# KiCad board poly_kb.kicad_pcb (continued)
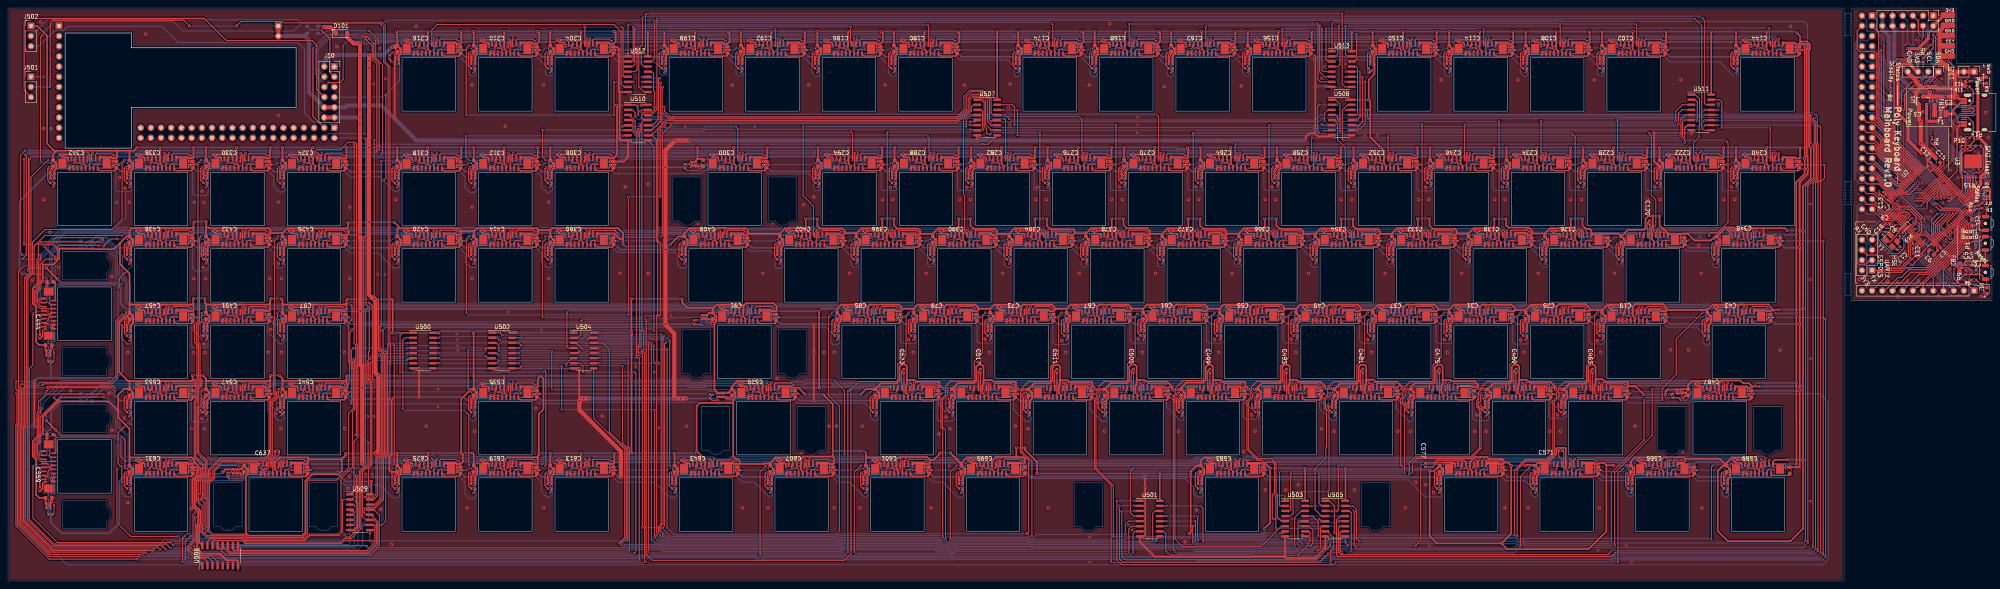
[diagram p0: board, top side]
## Routing (per net, layer and track width the routed paths; a pad name or vN(x,y) marks a point on that pad's centre or on a via; arc(x,y) is an arc through that point) (continued)
Net-(C597-Pad1): length 5.5
  Top w0.292: J51.15 249.15,26.11 252.08,26.11 252.08,26.11 252.89,26.11 253.17,26.39 C597.1
Net-(C600-Pad1): length 12.4
  Top w0.292: C600.1 212.3,23.75 212.3,26.65 v2(212.6,26.96) ; J52.4 218.91,28.85 v2(218.91,27.93)
  Bottom w0.292: v2(212.6,26.96) 213.36,27.71 217.62,27.71 217.84,27.93 v2(218.91,27.93)
Net-(C600-Pad2): length 11.7
  Top w0.292: 219.35,26.67 219.63,26.67 J52.5 ; v2(213.53,21.94) 213.96,22.37 C600.2
  Bottom w0.292: 219.35,26.67 219.19,26.51 214.31,26.51 213.74,25.94 213.74,22.15 v2(213.53,21.94)
  vias: v2(219.35,26.67)
Net-(C601-Pad1): length 4.7
  Top w0.292: C601.1 216.28,30.19 219.72,30.19 220.21,29.71 J52.6
Net-(C601-Pad2): length 8
  Top w0.292: J52.7 220.71,27.74 220.37,28.08 v2(219.65,28.08) ; v2(217.39,28.34) 217.39,29.18 217.08,29.49 215.95,29.49 C601.2
  Bottom w0.292: v2(219.65,28.08) 219.22,28.51 218.64,28.51 218.63,28.5 217.55,28.5 v2(217.39,28.34)
Net-(C603-Pad1): length 5.5
  Top w0.292: J52.15 225.34,26.11 228.27,26.11 228.27,26.11 229.07,26.11 229.36,26.39 C603.1
Net-(C606-Pad1): length 12.4
  Top w0.292: C606.1 188.49,23.75 188.49,26.65 v2(188.79,26.96) ; v2(195.1,27.94) 195.1,28.85 J53.4
  Bottom w0.292: v2(195.1,27.94) 195.01,27.85 194.06,27.85 193.72,27.51 189.34,27.51 v2(188.79,26.96)
Net-(C606-Pad2): length 11.7
  Top w0.292: 195.54,26.67 195.82,26.67 J53.5 ; v2(189.71,21.94) 190.15,22.37 C606.2
  Bottom w0.292: 195.54,26.67 195.37,26.5 190.48,26.5 189.92,25.94 189.92,22.15 v2(189.71,21.94)
  vias: v2(195.54,26.67)
Net-(C607-Pad1): length 4.7
  Top w0.292: C607.1 192.47,30.19 195.91,30.19 196.39,29.71 J53.6
Net-(C607-Pad2): length 8
  Top w0.292: J53.7 196.89,27.74 196.56,28.08 v2(195.84,28.08) ; v2(193.75,28.34) 193.75,29.02 193.27,29.49 192.14,29.49 C607.2
  Bottom w0.292: v2(195.84,28.08) 195.4,28.52 193.93,28.52 v2(193.75,28.34)
Net-(C609-Pad1): length 5.5
  Top w0.292: J53.15 201.53,26.11 204.46,26.11 204.46,26.11 205.26,26.11 205.54,26.39 C609.1
Net-(C612-Pad1): length 12.3
  Top w0.292: v2(140.33,27.98) 140.33,28.85 J54.4 ; C612.1 133.72,23.75 133.72,26.65 v2(134.02,26.96)
  Bottom w0.292: v2(134.02,26.96) 134.78,27.71 138.98,27.71 139.24,27.98 v2(140.33,27.98)
Net-(C612-Pad2): length 11.7
  Top w0.292: 140.77,26.67 141.05,26.67 J54.5 ; v2(134.95,21.94) 135.38,22.37 C612.2
  Bottom w0.292: 140.77,26.67 140.61,26.51 135.73,26.51 135.15,25.94 135.15,22.15 v2(134.95,21.94)
  vias: v2(140.77,26.67)
Net-(C613-Pad1): length 4.7
  Top w0.292: C613.1 137.7,30.19 141.14,30.19 141.62,29.71 J54.6
Net-(C613-Pad2): length 8
  Top w0.292: J54.7 142.12,27.74 141.79,28.08 v2(141.07,28.08) ; C613.2 137.37,29.49 138.5,29.49 138.82,29.17 v2(138.82,28.43)
  Bottom w0.292: v2(138.82,28.43) 138.98,28.59 140.56,28.59 v2(141.07,28.08)
Net-(C615-Pad1): length 5.5
  Top w0.292: J54.15 146.76,26.11 149.69,26.11 149.69,26.11 150.49,26.11 150.77,26.39 C615.1
Net-(C618-Pad1): length 12.4
  Top w0.292: C618.1 114.67,23.75 114.67,26.65 v2(114.97,26.96) ; v2(121.28,27.94) 121.28,28.85 J55.4
  Bottom w0.292: v2(121.28,27.94) 120.2,27.94 119.97,27.71 115.73,27.71 v2(114.97,26.96)
Net-(C618-Pad2): length 11.7
  Top w0.292: 121.72,26.67 122,26.67 J55.5 ; v2(115.9,21.94) 116.33,22.37 C618.2
  Bottom w0.292: 121.72,26.67 121.56,26.51 116.68,26.51 116.1,25.94 116.1,22.15 v2(115.9,21.94)
  vias: v2(121.72,26.67)
Net-(C619-Pad1): length 4.7
  Top w0.292: C619.1 118.65,30.19 122.09,30.19 122.57,29.71 J55.6
Net-(C619-Pad2): length 8
  Top w0.292: J55.7 123.07,27.74 122.74,28.08 v2(122.02,28.08) ; v2(119.77,28.36) 119.77,29.17 119.45,29.49 118.32,29.49 C619.2
  Bottom w0.292: v2(122.02,28.08) 121.58,28.52 119.93,28.52 v2(119.77,28.36)
Net-(C621-Pad1): length 5.5
  Top w0.292: J55.15 127.71,26.11 130.64,26.11 130.64,26.11 131.44,26.11 131.72,26.39 C621.1
Net-(C624-Pad1): length 12.3
  Top w0.292: v2(102.23,27.98) 102.23,28.85 J56.4 ; v2(95.62,26.59) 95.62,23.75 C624.1
  Bottom w0.292: v2(95.62,26.59) 96.74,27.71 100.88,27.71 101.14,27.98 v2(102.23,27.98)
Net-(C624-Pad2): length 11.7
  Top w0.292: 102.67,26.67 102.95,26.67 J56.5 ; v2(96.85,21.94) 97.28,22.37 C624.2
  Bottom w0.292: 102.67,26.67 102.51,26.51 97.63,26.51 97.05,25.94 97.05,22.15 v2(96.85,21.94)
  vias: v2(102.67,26.67)
Net-(C625-Pad1): length 4.7
  Top w0.292: C625.1 99.6,30.19 103.04,30.19 103.53,29.71 J56.6
Net-(C625-Pad2): length 8
  Top w0.292: J56.7 104.03,27.74 103.69,28.08 v2(102.97,28.08) ; C625.2 99.27,29.49 100.4,29.49 100.72,29.17 v2(100.72,28.43)
  Bottom w0.292: v2(100.72,28.43) 100.88,28.59 102.46,28.59 v2(102.97,28.08)
Net-(C627-Pad1): length 5.5
  Top w0.292: J56.15 108.66,26.11 111.59,26.11 111.59,26.11 112.39,26.11 112.67,26.39 C627.1
Net-(C630-Pad1): length 12.1
  Top w0.292: C630.1 28.94,23.75 28.94,26.65 v2(29.25,26.96) ; v2(35.18,27.97) 35.18,27.98 35.85,28.65 J57.4
  Bottom w0.292: v2(35.18,27.97) 34.46,27.97 34.2,27.71 30,27.71 v2(29.25,26.96)
Net-(C630-Pad2): length 11.7
  Top w0.292: 35.99,26.67 36.27,26.67 J57.5 ; v2(30.17,21.94) 30.6,22.37 C630.2
  Bottom w0.292: 35.99,26.67 35.83,26.51 30.95,26.51 30.38,25.94 30.38,22.15 v2(30.17,21.94)
  vias: v2(35.99,26.67)
Net-(C631-Pad1): length 4.7
  Top w0.292: C631.1 32.93,30.19 36.37,30.19 36.85,29.71 J57.6
Net-(C631-Pad2): length 8
  Top w0.292: J57.7 37.35,27.74 37.01,28.08 v2(36.3,28.08) ; C631.2 32.59,29.49 33.72,29.49 34.04,29.17 v2(34.04,28.43)
  Bottom w0.292: v2(34.04,28.43) 34.2,28.59 35.78,28.59 v2(36.3,28.08)
Net-(C633-Pad1): length 5.5
  Top w0.292: J57.15 41.99,26.11 44.91,26.11 44.91,26.11 45.72,26.11 46,26.39 C633.1
Net-(C636-Pad1): length 11
  Top w0.292: C636.1 54.73,26.96 v2(55.16,26.96) ; J58.4 64.14,28.86 v2(64.14,28.29)
  Bottom w0.292: v2(55.16,26.96) 57.83,26.96 58.58,27.71 62.98,27.71 63.25,27.99 63.83,27.99 v2(64.14,28.29)
Net-(C636-Pad2): length 10.9
  Top w0.292: 64.57,26.67 64.85,26.67 J58.5 ; C636.2 54.71,25.91 v2(55.02,25.59)
  Bottom w0.292: v2(55.02,25.59) 58.46,25.59 59.37,26.51 64.41,26.51 64.57,26.67
  vias: v2(64.57,26.67)
Net-(C637-Pad1): length 4.3
  Top w0.292: 65.43,29.71 J58.6 65.43,30.3 65.43,30.3 66.53,31.4 C637.1
Net-(C637-Pad2): length 6.3
  Top w0.292: J58.7 65.93,30.06 67.49,31.62 C637.2
Net-(C639-Pad1): length 5.5
  Top w0.292: J58.15 70.56,26.11 73.49,26.11 73.49,26.11 74.29,26.11 74.57,26.39 C639.1
Net-(C642-Pad1): length 12.4
  Top w0.292: C642.1 164.67,23.75 164.67,26.65 v2(164.98,26.96) ; v2(171.27,27.94) 171.27,28.83 J59.4
  Bottom w0.292: v2(171.27,27.94) 170.16,27.94 169.93,27.71 165.73,27.71 v2(164.98,26.96)
Net-(C642-Pad2): length 11.7
  Top w0.292: 171.73,26.67 172,26.67 J59.5 ; v2(165.9,21.94) 166.34,22.37 C642.2
  Bottom w0.292: 171.73,26.67 171.56,26.51 166.68,26.51 166.11,25.94 166.11,22.15 v2(165.9,21.94)
  vias: v2(171.72,26.67)
Net-(C643-Pad1): length 4.7
  Top w0.292: C643.1 168.66,30.19 172.1,30.19 172.58,29.71 J59.6
Net-(C643-Pad2): length 8
  Top w0.292: J59.7 173.08,27.74 172.75,28.08 v2(172.03,28.08) ; C643.2 168.33,29.49 169.46,29.49 169.78,29.17 v2(169.78,28.43)
  Bottom w0.292: v2(169.78,28.43) 169.91,28.56 171.4,28.56 171.49,28.47 171.63,28.47 v2(172.03,28.08)
Net-(C645-Pad1): length 5.5
  Top w0.292: J59.15 177.72,26.11 180.64,26.11 180.65,26.11 181.45,26.11 181.73,26.39 C645.1
Net-(D1-Pad1): length 3.4
  Top w0.292: R6.1 491.97,73.18 D1.1
Net-(D2-Pad1): length 1.7
  Top w0.292: D2.1 492.64,95.73 R7.1
Net-(D3-Pad1): length 4.4
  Top w0.3: D3.1 492.63,124.05 v2(491.54,124.05) ; 488.47,124.69 v2(489.08,124.69)
  Bottom w0.3: v2(491.54,124.05) 490.91,124.69 v2(489.08,124.69)
Net-(D101-Pad1): length 5.3
  Top w1: D101.1 81.66,136.73 80.29,138.1 v1(78.64,138.1)
  Bottom w0.4: v1(78.64,138.1) 78.43,138.31 LED_INDICATOR101.1
Net-(F1-Pad1): length 2.2
  Top w1: FB1.2 479.78,118.67 F1.1
Net-(J1-Pad2): length 36.7
  Top w0.292: R4.2 479.07,110.67 v2(479.09,110.69) ; v2(477.42,124.05) 479.5,126.14 479.5,128.13 480,128.63 480,135.47 v2(479.36,136.11)
  Bottom w0.292: v2(477.42,124.05) 477.85,124.05 479.48,122.42 479.48,121.69 478.79,121.01 478.79,111 v2(479.09,110.69) ; v2(479.36,136.11) 479.36,136.59 480.62,137.86 480.62,140.71 481.01,141.1 J1.2
Net-(J1-Pad4): length 11.4
  Top w0.292: R5.2 479.39,132.83 479.39,134.93 v2(479.24,135.08)
  Bottom w0.292: v2(479.24,135.08) 480.29,136.12 480.29,136.83 482.02,138.56 J1.4
Net-(J1-Pad6): length 24.5
  Top w0.292: 475.11,130.02 474.99,129.91 ; 475.11,130.02 v2(478.74,133.65) ; 475.11,130.02 474.07,130.02 473.96,130.13 470.33,130.13 468.73,128.52 R8.2
  Bottom w0.292: v2(478.74,133.65) 481.1,136.02 J1.6 481.79,136.02
Net-(J1-Pad10): length 62
  Top w0.292: v2(487.93,77.39) 487.86,77.47 R9.2
  Bottom w0.292: J1.10 483.99,130 483.99,124.68 483.92,124.61 483.92,121.26 482.26,119.6 482.26,114.36 482.8,113.81 482.8,109.68 489.78,102.7 489.78,102.49 492.14,100.13 492.14,95.71 491.78,95.35 491.67,95.35 489.67,93.35 489.67,87.34 490.79,86.22 490.79,80.25 v2(487.93,77.39)
Net-(J2-PadA5): length 7
  Top w0.3: J2.A5 488.09,115.59 489.38,114.3 489.38,111.43 R10.2
Net-(J2-PadB5): length 6.8
  Top w0.3: J2.B5 488.37,118.59 489.38,119.6 489.38,122.31 R11.2
Net-(U500-Pad14): length 232.4
  Top w0.25: v2(285.92,9.97) 285.92,10.24 U501.9 ; U500.14 107.23,59.37 v2(107.26,59.35) ; v2(160.47,10.12) 160.19,10.4 v2(160.19,59.32)
  Bottom w0.25: v2(107.26,59.35) 143.67,59.35 143.82,59.2 146.8,59.2 146.86,59.26 158.98,59.26 159.23,59.02 159.89,59.02 v2(160.19,59.32) ; v2(160.47,10.12) 161.12,9.47 163.04,9.47 163.65,8.85 207.13,8.85 207.57,9.29 231.48,9.29 231.98,8.79 234.04,8.79 234.28,9.04 235.2,9.04 235.56,9.39 254.51,9.39 254.59,9.47 285.42,9.47 v2(285.92,9.97)
Net-(U501-Pad14): length 212.7
  Top w0.25: v2(161,10.88) 160.95,10.94 v2(160.95,42.68) ; v2(127.93,53.63) 127.32,53.02 U502.9 ; v2(285.01,10.03) 285.01,16.83 285.64,17.46 U501.14 ; v2(137.84,53.63) 137.84,48.74 137.86,48.71 v2(137.86,42.71)
  Bottom w0.25: v2(285.01,10.03) 284.85,9.87 254.46,9.87 254.35,9.77 235.4,9.77 235.05,9.42 234.13,9.42 233.88,9.17 232.14,9.17 231.64,9.67 207.41,9.67 206.97,9.23 163.81,9.23 163.11,9.94 161.95,9.94 v2(161,10.88) ; v2(127.93,53.63) v2(137.84,53.63) ; v2(137.86,42.71) 160.93,42.71 v2(160.95,42.68)
Net-(U502-Pad14): length 247.3
  Top w0.25: U503.9 322.57,11.54 v2(322.23,11.54) ; U502.14 127.12,59.37 v2(127.76,58.74) ; v2(161.51,11.49) 161.51,53.9 160.78,54.64 v2(160.78,58.71)
  Bottom w0.25: v2(127.76,58.74) 146.88,58.74 147.02,58.88 158.82,58.88 159.3,58.41 160.47,58.41 v2(160.78,58.71) ; v2(161.51,11.49) 161.51,11.16 162.35,10.32 163.27,10.32 163.97,9.61 206.81,9.61 207.25,10.05 231.8,10.05 232.3,9.55 233.72,9.55 233.97,9.8 234.89,9.8 235.24,10.15 254.2,10.15 254.32,10.28 278.01,10.28 278.4,10.67 295.28,10.67 295.38,10.77 312.77,10.77 313.23,11.23 321.93,11.23 v2(322.23,11.54)
Net-(U503-Pad14): length 227.7
  Top w0.25: U503.14 322.02,17.46 320.37,15.82 v2(320.37,8.63) ; U504.9 145.83,40.54 153.57,32.8 153.57,10.89 v2(152.1,9.42)
  Bottom w0.25: v2(152.1,9.42) 152.3,9.63 152.93,9.63 153.46,9.09 162.88,9.09 163.5,8.47 207.29,8.47 207.72,8.91 231.33,8.91 231.83,8.41 234.19,8.41 234.44,8.66 235.36,8.66 235.72,9.01 254.67,9.01 254.74,9.08 295.39,9.08 295.98,8.5 320.24,8.5 v2(320.37,8.63)
Net-(U504-Pad14): length 240.7
  Top w0.25: U505.9 332.99,9.56 v2(333.7,8.86) ; v2(152.72,9.03) 152.72,9.51 153.95,10.74 153.95,32.96 149.73,37.18 149.73,57.77 148.13,59.37 U504.14
  Bottom w0.25: v2(152.72,9.03) 153.04,8.71 162.72,8.71 163.34,8.09 207.44,8.09 207.88,8.53 231.17,8.53 231.67,8.03 234.35,8.03 234.6,8.28 235.52,8.28 235.87,8.63 254.83,8.63 254.9,8.7 295.23,8.7 295.82,8.12 310.26,8.12 310.31,8.07 320.64,8.07 320.77,8.2 324.57,8.2 325.04,8.66 329.3,8.66 329.49,8.86 v2(333.7,8.86)
Net-(U505-Pad14): length 290.5
  Top w0.25: U505.14 334.05,17.46 334.49,17.03 v2(334.49,7.52) ; U506.9 89.21,8.81 v2(89.33,8.7)
  Bottom w0.25: v2(89.33,8.7) 90.14,7.89 162.47,7.89 163.02,7.33 207.76,7.33 208.2,7.77 230.85,7.77 231.35,7.27 234.67,7.27 234.91,7.52 235.83,7.52 236.15,7.83 255.1,7.83 255.21,7.94 294.92,7.94 295.51,7.36 309.94,7.36 309.99,7.31 320.95,7.31 321.08,7.44 324.88,7.44 325.35,7.9 329.61,7.9 329.79,8.08 333.15,8.08 333.71,7.52 v2(334.49,7.52)
Net-(U506-Pad14): length 299.9
  Top w0.254: v2(89.66,34.59) 89.66,29.08 87.85,27.27 87.85,12.99 85.47,10.61 84.31,10.61 83.03,9.33 59.01,9.33 58.29,10.04 51.18,10.04 50.92,9.79 U506.14 ; v2(86.57,36.37) 86.74,36.55 86.74,53.27 86.62,53.4 86.62,58.79 86.18,59.22 86.18,108.37 86.13,108.42 v2(86.13,108.85) ; U507.9 244.1,108.92 v2(242.52,108.92)
  Bottom w0.254: v2(86.57,36.37) 87.88,36.37 v2(89.66,34.59) ; v2(242.52,108.92) 86.63,108.92 86.56,108.85 v2(86.13,108.85)
Net-(U507-Pad14): length 94.6
  Top w0.254: v2(251.36,111.25) 251.38,111.27 v2(251.38,117.42) ; v2(247.9,117.5) 247.89,117.48 U507.14 ; v2(332.99,111.12) 333,111.13 U508.9
  Bottom w0.254: v2(332.99,111.12) 251.48,111.12 v2(251.36,111.25) ; v2(251.38,117.42) 247.98,117.42 v2(247.9,117.5)
Net-(U508-Pad14): length 592.1
  Top w0.25: v2(449.79,115.44) 449.42,115.07 449.42,114.39 449.76,114.05 449.76,108.93 449.96,108.73 449.96,100.23 448.18,98.46 v2(448.18,9.53) ; v2(338.58,115.32) 338.51,115.39 v2(338.51,117.48) ; v2(333.15,117.45) 334.55,117.45 U508.14 ; U509.9 90.1,11.88 v2(90.11,11.87)
  Bottom w0.25: v2(449.79,115.44) 426.83,115.44 426.7,115.58 400.49,115.58 400.23,115.32 v2(338.58,115.32) ; v2(338.51,117.48) 338.48,117.45 v2(333.15,117.45) ; v2(448.18,9.53) 446.96,8.31 377.69,8.31 376.87,9.12 376.36,9.12 375.06,7.81 335.35,7.81 335.09,8.08 333.68,8.08 333.31,8.46 329.63,8.46 329.45,8.28 325.19,8.28 324.73,7.82 320.92,7.82 320.8,7.69 310.15,7.69 310.1,7.74 295.66,7.74 295.07,8.32 255.06,8.32 254.98,8.25 236.03,8.25 235.68,7.9 234.76,7.9 234.51,7.65 231.51,7.65 231.01,8.15 208.04,8.15 207.6,7.71 163.18,7.71 162.58,8.32 91.64,8.32 90.11,9.84 v2(90.11,11.87)
Net-(U509-Pad14): length 162.2
  Top w0.25: U509.14 91.24,19.05 92.6,20.41 92.6,30.79 93.72,31.91 93.72,56.65 93.4,56.97 93.4,62.29 v2(93.19,62.5) ; U510.9 160.83,108.36 v2(160.83,62.42)
  Bottom w0.25: v2(93.19,62.5) 93.88,63.2 157.92,63.2 158.27,62.84 160.41,62.84 v2(160.83,62.42)
Net-(U510-Pad14): length 314.6
  Top w0.254: U511.9 422.32,112.4 421.72,113 421.77,113.06 421.77,138.48 420.07,140.18 v2(420.01,140.18) ; v2(161.71,140.26) 161.71,139.83 161.59,139.71 161.59,117.51 160.29,116.21 U510.14
  Bottom w0.254: v2(420.01,140.18) 161.8,140.18 v2(161.71,140.26)
Net-(U511-Pad14): length 308
  Top w0.254: v2(421.97,140.31) 422.48,139.8 422.48,119.05 422.76,118.77 423.82,118.77 423.83,118.75 U511.14 ; v2(157.96,140.39) 157.96,133.72 157.07,132.83 157.07,123.2 158.34,121.93 U512.9
  Bottom w0.254: v2(421.97,140.31) 421.45,140.83 158.4,140.83 v2(157.96,140.39)
Net-(U512-Pad14): length 208.4
  Top w0.254: U512.14 158.34,128.28 157.68,128.94 157.68,131.93 158.72,132.97 158.72,141.22 v2(158.95,141.45) ; U513.9 332.94,123.2 332.23,123.9 v2(332.23,141.45)
  Bottom w0.254: v2(332.23,141.45) v2(158.95,141.45)

## Copper pours and planes (outline as drawn; the poured copper is in the pictures)
GND on Top: 457.38,-0.91 -1.22,-0.99 -1.07,144.81 457.5,144.93
GND on Top: 459.36,144.65 497.2,144.78 497.2,68.58 459.36,68.58 ; 1 cut-out
GND on Bottom: 457.48,146.05 457.4,-2.01 -2.41,-2.26 -2.41,145.87 457.43,146.08 457.48,146.08
GND on Bottom: 459.36,146.05 498.47,146.05 498.35,67.31 459.36,67.31 ; 1 cut-out
GND on Bottom: 472.14,87.22 472.62,86.74 471.3,85.42 472.01,84.71 472.01,83.19 470.59,81.76 469.39,81.76 466.04,85.12 466.04,86.56 467.31,87.83 468.86,87.83 469.77,86.92 470.41,86.92 472.95,89.46 473.66,88.75

## Text on the board
B.SilkS: SWDIO | SWCLK | SWO | NRST | NC | SPI1-Disp | LED / AR | Display Selection-SPI3 > | SCLK | SLATCH | 3V3 ESP_RST ESP_EN | SDATA | S / R | I2C3 | I2C2 | UART1 | UART6 | GND | 3V3 | SCL | SDA | C20 | B1 | 11 | D15 | 5V | SCL / SDA | 10 | B0 | D14 | SS1 SCK | MISO MOSI | RST1 | 3V3 SS3 | v | JLCJLCJLCJLC | Boot1 | Boot0 | Reset | SWD> | RX | R0 | TX | R1 | ... | RX / TX | C0 / C1 | C12 / C13 | C18 / C19 | C6 / C7 | HSE | R2 | R3 | R4 | R5 | Power | R6 | R7 | AIN2 | StatusDisp | AIN1 | Flash / SPI2 | 3V3A | USB-C | Status | ESP_0 | ESP_2 | STM32F407VET6 | Poly Keyboard / Mainboard Rev1.0 | .
F.SilkS: GND | 3V3 | KEY | SWD / < | SPI2 Flash | Status | Power | Reset | TX | Boot1 | Boot0 | . | HSE | Status / Display | SCL | SDA | I2C1 | + | UART2 / ESP01S | RX | Poly Keyboard / Mainboard Rev1.0
